# Altium PCB PCB_monitoring_MOTHB.PcbDoc (part 1 of 2)
Units mm, origin at the board's own origin, x right, y up, seen from the top; angles counter-clockwise.
Board outline 185 x 75 mm, 2 copper layers (Top Layer, Bottom Layer), stack 1.571 mm thick; 166 components, 133 nets, 595 pads, 43 vias.
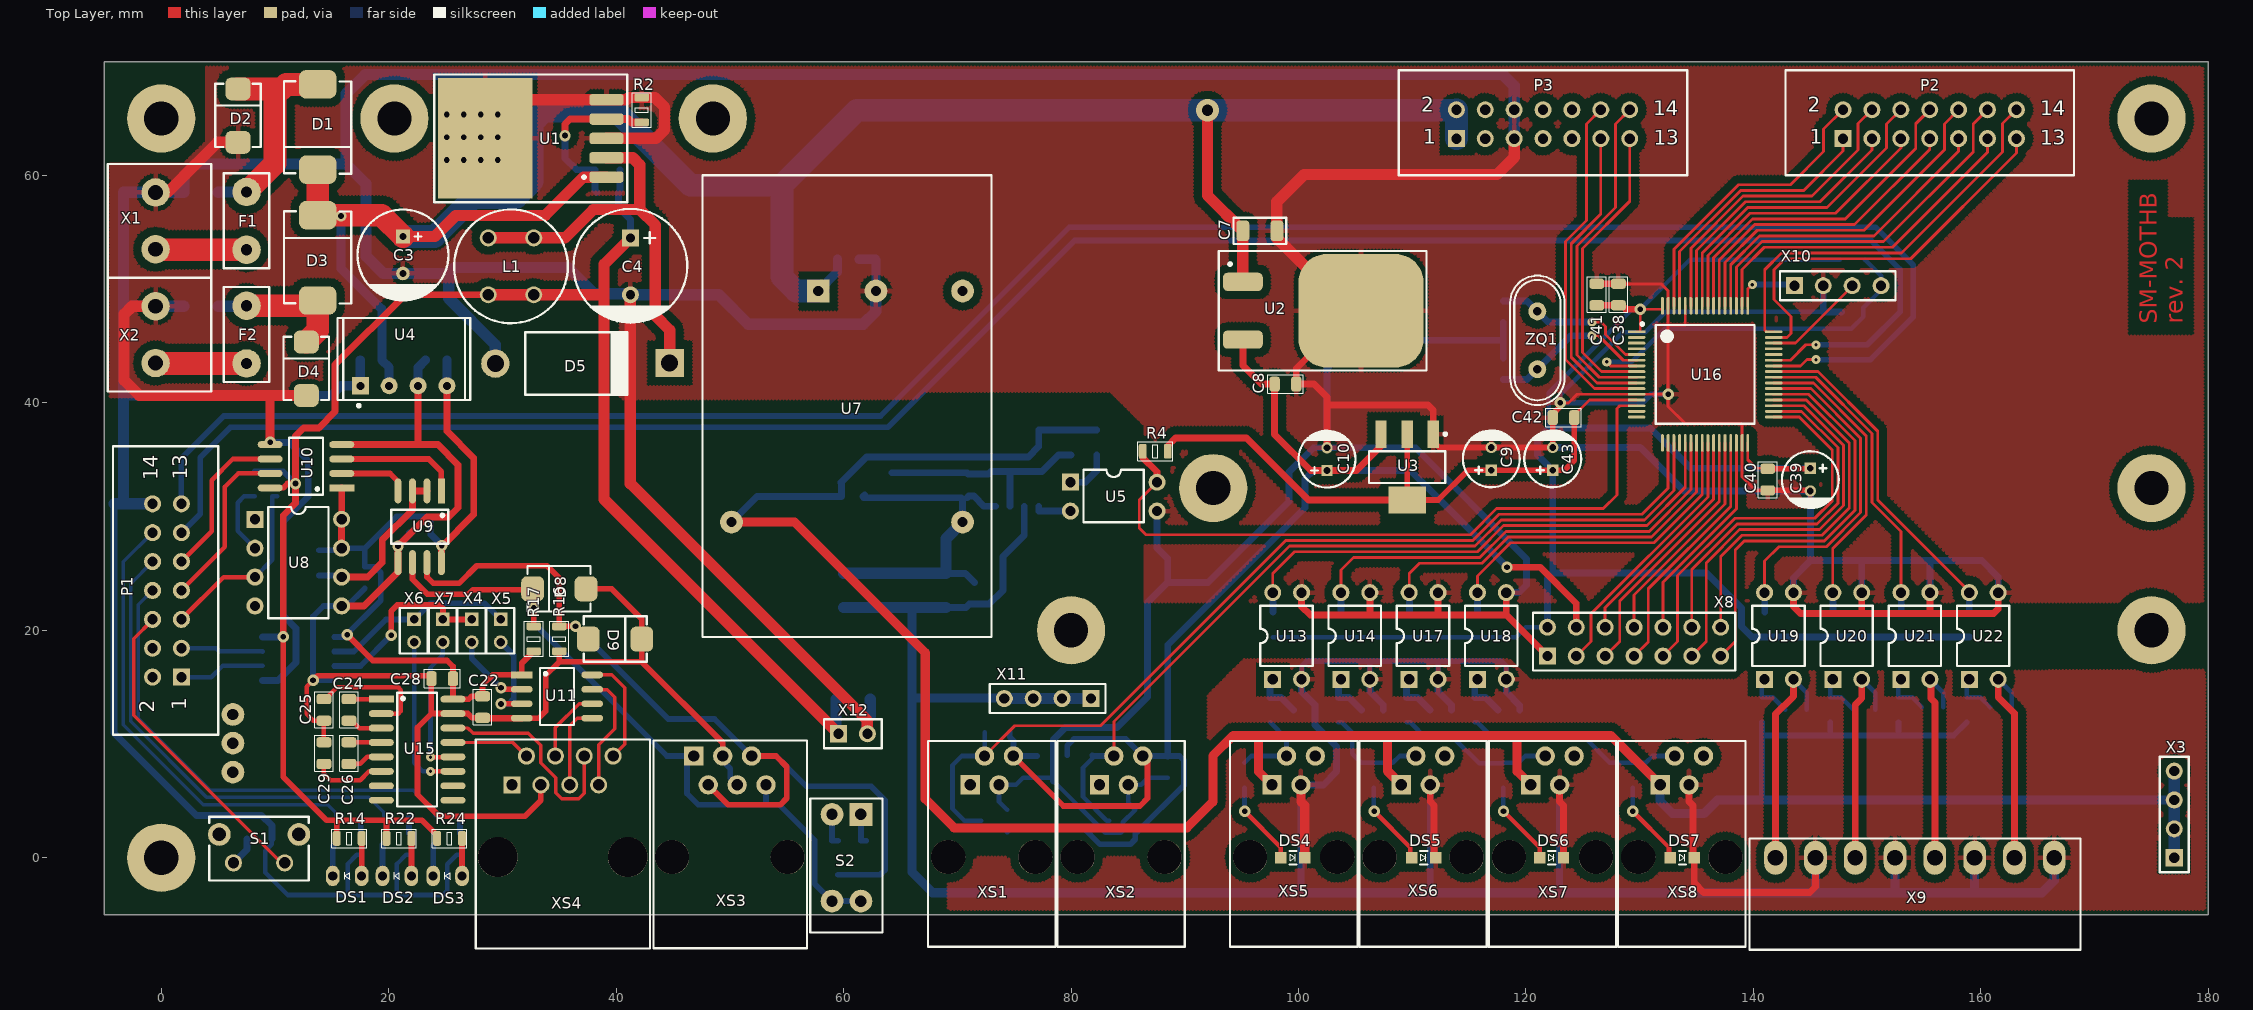
[diagram p0: Top Layer view]
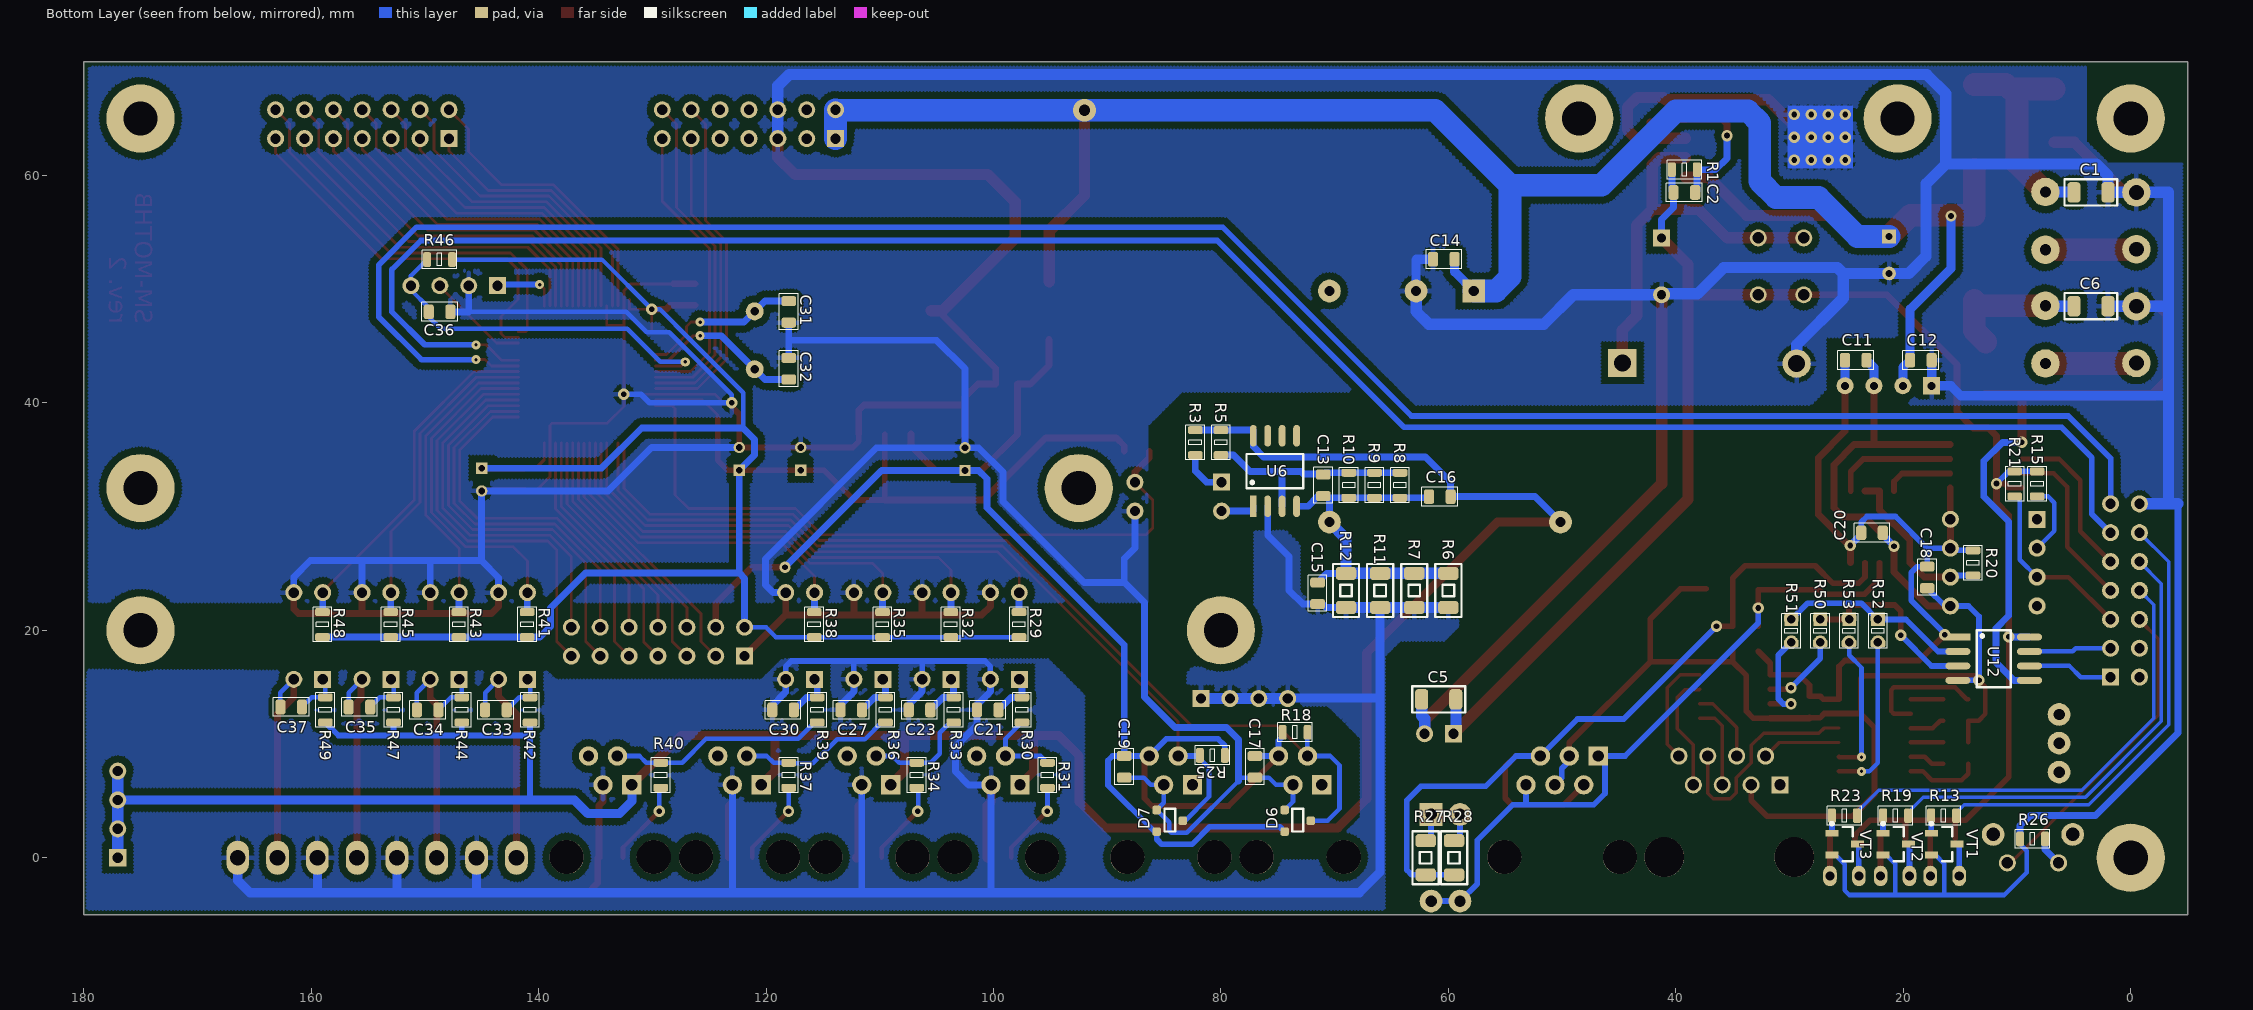
[diagram p1: Bottom Layer view, seen from below]

## Layer stack, top to bottom
Top Solder: solder mask 0.0102, Solder Resist, Dk 3.5
Top Layer: signal copper 0.0356
Dielectric 1: dielectric 1.5, FR-4, Dk 4.8
Bottom Layer: signal copper 0.0356
Bottom Solder: solder mask 0.0102, Solder Resist, Dk 3.5

## Board outline
-5,-5 180,-5 180,70 -5,70

## Design rules (kind name [scope] priority, off if disabled: settings)
Clearance Clearance_3 [InPolygon And InNetClass('GND')] p1: gap=0.4
Clearance Clearance_2 [InPolygon And OnLayer('Bottom Layer')] p2: gap=0.6
Clearance Clearance_1 [InPolygon And OnLayer('Top Layer')] p3: gap=0.7
Clearance [All] p4: gap=0.25
ComponentClearance [All] p1: gap=0 collisioncheckmode=3 verticalgap=0 showdistances=FALSE
Height [All] p1: minheight=0 maxheight=30 prefheight=12.7
HoleSize [All] p1: absolutevalues=TRUE maxlimit=5 minlimit=0.2 maxpercent=80.000 minpercent=20.000
HoleToHoleClearance [All] p1: gap=0.25 allowstackedmicrovias=TRUE
MinimumSolderMaskSliver [All] p1: minsoldermaskwidth=0
PlaneClearance [All] p1: clearance=0.5
PlaneConnect [All] p1: planeconnectstyle=Relief reliefexpansion=0.5 reliefentries=4 reliefconductorwidth=0.3 reliefairgap=0.25
PolygonConnect [All] p1: connectstyle=Relief reliefconductorwidth=0.4 reliefentries=4 polygonreliefangle="90 Angle" airgapwidth=0.4
RoutingCorners [All] p1: cornerstyle=45-Degree minsetback=2 maxsetback=2
RoutingVias [All] p1: holewidth=0.8 width=1.3 viastyle="Through Hole" minholewidth=0.3 minwidth=0.8 maxholewidth=5 maxwidth=7
SilkToBoardRegionClearance [All] p1 off:
SilkToSilkClearance [All] p1: silktosilkclearance=0
SilkToSolderMaskClearance [IsPad] p1: minsilkscreentomaskgap=0 clearancetoexposedcopper=TRUE
SolderMaskExpansion [All] p1: expansion=0.1
Width [All] p1: maxlimit=4 minlimit=0.25 preferedwidth=0.5 minimp=50.000000 maximp=50.000000 favimp=50.000000
19 further rules are at their usual default settings.

## Classes and differential pairs
component class Sheet_MCU_IO: C17 C18 C19 C20 C21 C22 C23 C24 C25 C26 C27 C28 C29 C30 C31 C32 C33 C34 C35 C36 C37 C38 C39 C40 C41 C42 C43 D6 D7 D8 D9 DS1 DS2 DS3 DS4 DS5 DS6 DS7 P1 P2 P3 R13 R14 R15 R16 R17 R18 R19 R20 R21 R22 R23 R24 R25 R26 R27 R28 R29 R30 R31 R32 R33 R34 R35 R36 R37 R38 R39 R40 R41 R42 R43 R44 R45 R46 R47 R48 R49 R50 R51 R52 R53 S1 S2 U8 U9 U10 U11 U12 U13 U14 U15 U16 U17 U18 U19 U20 U21 U22 VT1 VT2 VT3 X3 X4 X5 X6 X7 X8 X9 X10 X11 XS1 XS2 XS3 XS4 XS5 XS6 XS7 XS8 ZQ1
component class Sheet_Power: C1 C2 C3 C4 C5 C6 C7 C8 C9 C10 C11 C12 C13 C14 C15 C16 D1 D2 D3 D4 D5 F1 F2 L1 R1 R2 R3 R4 R5 R6 R7 R8 R9 R10 R11 R12 U1 U2 U3 U4 U5 U6 U7 X1 X2 X12

## Components (designator, comment, footprint, x,y, rotation, side; value= is the part's Value field where it differs from the comment)
C1 "Cap_Semi" C_1206 3.5,58.5 r0 bottom
C2 "Cap_Semi" C_0805 39.25,58.5 r180 bottom
C3 "Cap_Polar" 8x11 21.25,53 r270 top
C4 "Cap_Polar" 10x16 41.25,52 r270 top
C5 "Cap_Semi" C_1206 60.85,13.925 r180 bottom
C6 "Cap_Semi" C_1206 3.5,48.5 r0 bottom
C7 "Cap_Semi" C_1206 96.6,55.125 r180 top
C8 "Cap_Semi" C_0805 98.85,41.65 r180 top
C9 "Cap_Polar" 5x11 116.95,35.075 r90 top
C10 "Cap_Polar" 5x11 102.5,35.05 r90 top
C11 "Cap_Semi" C_0805 24.175,43.75 r180 bottom
C12 "Cap_Semi" C_0805 18.45,43.75 r180 bottom
C13 "Cap_Semi" C_0805 71,32.75 r90 bottom
C14 "Cap_Semi" C_0805 60.4,52.625 r180 bottom
C15 "Cap_Semi" C_0805 71.5,23.25 r270 bottom
C16 "Cap_Semi" C_0805 60.75,31.75 r180 bottom
C17 "Cap_Semi" C_0805 77,8 r270 bottom
C18 "Cap_Semi" C_0805 17.9,24.65 r270 bottom
C19 "Cap_Semi" C_0805 88.5,8 r270 bottom
C20 "Cap_Semi" C_0805 22.75,28.575 r0 bottom
C21 "Cap_Semi" C_0805 100.5,13 r0 bottom
C22 "Cap_Semi" C_0805 28.25,13.25 r90 top
C23 "Cap_Semi" C_0805 106.5,13 r0 bottom
C24 "Cap_Semi" C_0805 16.5,13 r270 top
C25 "Cap_Semi" C_0805 14.3,13 r90 top
C26 "Cap_Semi" C_0805 16.5,9.2 r270 top
C27 "Cap_Semi" C_0805 112.5,13 r0 bottom
C28 "Cap_Semi" C_0805 24.7,15.75 r0 top
C29 "Cap_Semi" C_0805 14.3,9.2 r270 top
C30 "Cap_Semi" C_0805 118.5,13 r0 bottom
C31 "Cap_Semi" C_0805 118,48 r90 bottom
C32 "Cap_Semi" C_0805 118,43 r270 bottom
C33 "Cap_Semi" C_0805 143.75,13 r0 bottom
C34 "Cap_Semi" C_0805 149.75,13 r0 bottom
C35 "Cap_Semi" C_0805 155.75,13.25 r0 bottom
C36 "Cap_Semi" C_0805 148.7,48 r180 bottom
C37 "Cap_Semi" C_0805 161.75,13.25 r0 bottom
C38 "Cap_Semi" C_0805 128.125,49.525 r90 top
C39 "Cap_Polar" 5x11 145,33.25 r270 top
C40 "Cap_Semi" C_0805 141.25,33.25 r270 top
C41 "Cap_Semi" C_0805 126.225,49.525 r90 top
C42 "Cap_Semi" C_0805 123.3,38.7 r180 top
C43 "Cap_Polar" 5x11 122.35,35.075 r90 top
D1 "VS-30BQ040" SMC 13.75,64.25 r90 top
D2 "SMBJ13A" SMB 6.75,65.25 r270 top
D3 "VS-30BQ040" SMC 13.75,52.75 r270 top
D4 "SMBJ13A" SMB 12.75,43 r270 top
D5 "1N5822" DO-201 37,43.5 r0 top
D6 "BAT54S" SOT-23_d 73.25,3.25 r180 bottom
D7 "BAT54S" SOT-23_d 84.5,3.25 r180 bottom
D8 "SMBJ12CA" SMB 35,23.65 r0 top
D9 "SMBJ12CA" SMB 39.9,19.225 r180 top
DS1 "LED_RED" LED_RED 16.35,-1.6 r270 top locked
DS2 "LED_YELLOW" LED_YELLOW 20.725,-1.6 r270 top locked
DS3 "LED_GREEN" LED_GREEN 25.175,-1.6 r270 top locked
DS4 "Green" LED_SMD_0805 99.5,0 r90 top
DS5 "Green" LED_SMD_0805 111,0 r90 top
DS6 "Green" LED_SMD_0805 122.25,0 r90 top
DS7 "Green" LED_SMD_0805 133.75,0 r90 top
F1 "RFTQ-2A" "Fuse RFTQ" 7.5,56 r270 top
F2 "RFTQ-2A" "Fuse RFTQ" 7.5,46 r270 top
L1 "RCH110NP-470K" RCH-110 30.75,52 r180 top
P1 "BH-14" BH-14 0.5,23.5 r90 top locked
P2 "BH-14" BH-14 155.5,64.5 r0 top locked
P3 "BH-14" BH-14 121.5,64.5 r0 top locked
R1 "Resistor" R_0805 39.25,60.5 r0 bottom
R2 "Resistor" R_0805 42.25,65.75 r270 top
R3 "Resistor" R_0805 82.25,36.5 r270 bottom
R4 "Resistor" R_0805 87.4,35.75 r0 top
R5 "Resistor" R_0805 80,36.5 r90 bottom
R6 "Resistor" R_1206 60,23.5 r270 bottom
R7 "Resistor" R_1206 63,23.5 r270 bottom
R8 "Resistor" R_0805 64.25,32.75 r90 bottom
R9 "Resistor" R_0805 66.5,32.75 r90 bottom
R10 "Resistor" R_0805 68.75,32.75 r90 bottom
R11 "Resistor" R_1206 66,23.5 r270 bottom
R12 "Resistor" R_1206 69,23.5 r270 bottom
R13 "Resistor" R_0805 16.45,3.7 r180 bottom
R14 "Resistor" R_0805 16.525,1.7 r0 top
R15 "Resistor" R_0805 8.225,32.875 r90 bottom
R16 "Resistor" R_0805 35,19.25 r270 top
R17 "Resistor" R_0805 32.75,19.25 r270 top
R18 "Resistor" R_0805 73.475,11.025 r0 bottom
R19 "Resistor" R_0805 20.675,3.7 r180 bottom
R20 "Resistor" R_0805 13.875,25.925 r90 bottom
R21 "Resistor" R_0805 10.2,32.875 r90 bottom
R22 "Resistor" R_0805 20.9,1.7 r0 top
R23 "Resistor" R_0805 25.175,3.7 r180 bottom
R24 "Resistor" R_0805 25.35,1.7 r0 top
R25 "Resistor" R_0805 80.75,9 r180 bottom
R26 "Resistor" R_0805 8.625,1.65 r0 bottom
R27 "Resistor" R_1206 62,0 r90 bottom
R28 "Resistor" R_1206 59.5,0 r90 bottom
R29 "Resistor" R_0805 97.75,20.5 r90 bottom
R30 "Resistor" R_0805 97.5,13 r270 bottom
R31 "Resistor" R_0805 95.25,7.25 r90 bottom
R32 "Resistor" R_0805 103.75,20.5 r90 bottom
R33 "Resistor" R_0805 103.5,13 r270 bottom
R34 "Resistor" R_0805 106.75,7.25 r90 bottom
R35 "Resistor" R_0805 109.75,20.5 r90 bottom
R36 "Resistor" R_0805 109.5,13 r270 bottom
R37 "Resistor" R_0805 118,7.25 r90 bottom
R38 "Resistor" R_0805 115.75,20.5 r90 bottom
R39 "Resistor" R_0805 115.5,13 r270 bottom
R40 "Resistor" R_0805 129.25,7.25 r90 bottom
R41 "Resistor" R_0805 141,20.5 r90 bottom
R42 "Resistor" R_0805 140.75,13 r270 bottom
R43 "Resistor" R_0805 147,20.5 r90 bottom
R44 "Resistor" R_0805 146.75,13 r270 bottom
R45 "Resistor" R_0805 153,20.5 r90 bottom
R46 "Resistor" R_0805 148.7,52.6 r0 bottom
R47 "Resistor" R_0805 152.75,13 r270 bottom
R48 "Resistor" R_0805 159,20.5 r90 bottom
R49 "Resistor" R_0805 158.75,13 r270 bottom
R50 "Resistor" R_0805 27.308,19.95 r90 bottom
R51 "Resistor" R_0805 29.85,19.95 r90 bottom
R52 "Resistor" R_0805 22.225,19.95 r90 bottom
R53 "Resistor" R_0805 24.767,19.95 r90 bottom
S1 "Swtich" Swich_TACTA-68N-F_ 8.6,0.8 r0 top locked
S2 "SW DIP-2" Swich_DIP2 60.25,0 r270 top locked
U1 "LM2596SX-ADJ" D2PAK_5p 33.75,63.25 r90 top locked
U2 "L7805ABD2T" D2PAK_3p 100.3,48.1 r270 top
U3 "LD1117AS33TR" SOT-223_N 109.55,34.35 r270 top
U4 "B1205S-1W" SIP4 16,40.25 r0 top
U5 "PC817C" DIP-4 83.75,31.75 r270 top
U6 "LM393DR2G" SO-8_L 75.25,34 r90 bottom
U7 "NSD05-12S12" NSD05 60.3,39.675 r270 top
U8 "6N137" DIP-8 12.05,25.95 r270 top
U9 "ST485BDR" SO-8_N 22.725,29.1 r270 top
U10 "ADuM1201" SO-8_N 12.725,34.425 r180 top
U11 "SN75179B" SO-8_L 34.8,14.175 r0 top
U12 "ADuM1201" SO-8_N 12.05,17.5 r180 bottom
U13 "PC817C" DIP-4 99,19.5 r0 top
U14 "PC817C" DIP-4 105,19.5 r0 top
U15 "MAX3232" SO-16_N 22.5,9.5 r0 top
U16 "STM32F030R8T6" LQFP64_L 135.75,42.5 r0 top
U17 "PC817C" DIP-4 111,19.5 r0 top
U18 "PC817C" DIP-4 117,19.5 r0 top
U19 "PC817C" DIP-4 142.25,19.5 r0 top
U20 "PC817C" DIP-4 148.25,19.5 r0 top
U21 "PC817C" DIP-4 154.25,19.5 r0 top
U22 "PC817C" DIP-4 160.25,19.5 r0 top
VT1 "BC817" SOT-23_N 16.4,1.2 r180 bottom
VT2 "BC817" SOT-23_N 20.65,1.2 r180 bottom
VT3 "BC817" SOT-23_N 25.15,1.2 r180 bottom
X1 "DG300-5.0-02P" "5MM 2" -0.5,56 r270 top
X2 "DG300-5.0-02P" "5MM 2" -0.5,46 r270 top
X3 "ZL2029" PLS-4-3D 177,0 r90 top locked
X4 "JMP" PLS-2-2 27.305,20.955 r180 top
X5 "JMP" PLS-2-2 29.845,20.955 r180 top
X6 "JMP" PLS-2-2 22.225,20.955 r180 top
X7 "JMP" PLS-2-2 24.765,20.955 r180 top
X8 "PLS2-14" PLS2-14 129.5,19 r0 top locked
X9 "15EDGRC-3.5-08P" MC_3.5_8 154.2,0 r0 top locked
X10 "PLS-4" PLS-4-3D 143.6,50.3 r0 top
X11 "PLS-4" PLS-4-3D 81.75,14 r180 top
X12 "PLS-2" PLS-2-3D 59.55,10.9 r0 top locked
XS1 "RJ-11" "RJ-11 - TJ4-4P4C" 73.025,4.5 r180 top locked
XS2 "RJ-11" "RJ-11 - TJ4-4P4C" 84.4,4.5 r180 top locked
XS3 "RJ-12" "RJ-12 - TJ4-6P6C" 50,4.5 r180 top locked
XS4 "RJ-45_Simple" "RJ-45 - TJ4-8P8C" 35.3,4.5 r180 top
XS5 "RJ-11" "RJ-11 - TJ4-4P4C" 99.575,4.5 r180 top locked
XS6 "RJ-11" "RJ-11 - TJ4-4P4C" 110.95,4.5 r180 top locked
XS7 "RJ-11" "RJ-11 - TJ4-4P4C" 122.325,4.5 r180 top locked
XS8 "RJ-11" "RJ-11 - TJ4-4P4C" 133.7,4.5 r180 top locked
ZQ1 "8MHz" HC49S_3D 121,45.5 r90 top

## Footprints (in the part's own frame and the unit in brackets; to place one, negate y for a bottom-side part, rotate by r counter-clockwise, add the part's x,y. Pads: shape width x height; smd on the part's side, far side on the other; paste and mask are expansions set on the pad)
"5MM 2" [mm]
  round 2.5 hole 1.3: 1(-2.5,0) 2(2.5,0)
  silkscreen extent -5,-4.2 5,4.9, body extent -5,-4 5,5, height 12.6
5x11 [mm] "Electrolytic Capacitors Pin"
  rect 1x1 hole 0.6: 1(-1,0)
  round 1 hole 0.6: 2(1,0)
  silkscreen extent -2.5,-2.5 2.5,2.5, body extent -2.53,-2.53 2.53,2.53, height 7.53
8x11 [mm] "Electrolytic Capacitors Pin"
  rect 1.2x1.2 hole 0.6: 1(-1.625,0)
  round 1.2 hole 0.6: 2(1.625,0)
  silkscreen extent -4,-4 4,4, body extent -4.03,-4 4.03,4.05, height 12.03
10x16 [mm] "Electrolytic Capacitors Pin"
  rect 1.5x1.5 hole 0.8: 1(-2.5,0)
  round 1.5 hole 0.8: 2(2.5,0)
  silkscreen extent -5.05,-5 4.95,5, body extent -5.05,-5 4.95,5, height 12
BH-14 [mm] "Connector IDC"
  rect 1.5x1.5 hole 0.9: 1(-7.62,-1.27)
  round 1.5 hole 0.9: 2(-7.62,1.27) 3(-5.08,-1.27) 4(-5.08,1.27) 5(-2.54,-1.27) 6(-2.54,1.27) 7(0,-1.27) 8(0,1.27) 9(2.54,-1.27) 10(2.54,1.27) 11(5.08,-1.27) 12(5.08,1.27) 13(7.62,-1.27) 14(7.62,1.27)
  silkscreen extent -12.68,-4.5 12.68,4.75, body extent -12.69,-4.4 12.69,4.7, height 9.3
C_0805 [mm] "Ceramic Capacitors SMD"
  rrect50% 0.9x1.3 smd: 1(-0.95,0) 2(0.95,0)
  silkscreen extent -1.58,-0.82 1.58,0.82, body extent -1,-0.62 1,0.63, height 0.78
C_1206 [mm] "Ceramic Capacitors SMD"
  rrect50% 1.15x1.8 smd: 1(-1.5,0) 2(1.5,0)
  silkscreen extent -2.32,-1.15 2.33,1.15, body extent -1.6,-0.8 1.6,0.8, height 1
D2PAK_3p [mm] "D2-PAK; 5 Leads; Body 14.7 (inc. leads) x 10.2 mm (LxW max)"
  rrect50% 1.6x3.5 smd: 1(-2.54,-5.194) 2(2.54,-5.194)
  rrect50% 10x11 smd: 3(0,5.194)
  silkscreen extent -5.25,-7.32 5.25,10.94, body extent -5.08,-5.83 5.08,9.43, height 4.88
D2PAK_5p [mm] "D2-PAK; 5 Leads; Body 14.7 (inc. leads) x 10.2 mm (LxW max)"
  rrect50% 1x3 smd: 1(-3.4,-5.4) 2(-1.7,-5.4) 3(0,-5.4) 4(1.7,-5.4) 5(3.4,-5.4)
  rect 10.6x8.3 smd: 6(0,5.275)
  silkscreen extent -5.63,-7.22 5.63,9.75, body extent -5,-6.59 5,9.08, height 4.78
DIP-4 [mm]
  rect 1.5x1.5 hole 0.9: 1(-1.27,-3.81)
  round 1.5 hole 0.9: 2(1.27,-3.81) 3(1.27,3.81) 4(-1.27,3.81)
  silkscreen extent -2.36,-2.65 2.25,2.65, body extent -2.82,-4.03 2.73,3.98, height 4.31
DIP-8 [mm] "8-Pin Plastic Dual In-Line Package (PDIP)"
  rect 1.5x1.5 hole 0.9: 1(-3.81,-3.81)
  round 1.5 hole 0.9: 2(-1.27,-3.81) 3(1.27,-3.81) 4(3.81,-3.81) 5(3.81,3.81) 6(1.27,3.81) 7(-1.27,3.81) 8(-3.81,3.81)
  silkscreen extent -4.9,-2.65 4.9,2.65, body extent -4.96,-3.91 4.95,3.91, height 4.57
DO-201 [mm]
  round 2.5 hole 1.5: 1(-7.62,-0.05)
  rect 2.5x2.5 hole 1.5: 2(7.7,0)
  silkscreen extent -5,-2.8 4,2.7, body extent -8.28,-2.85 8.28,2.75, height 7.6
"Fuse RFTQ" [mm]
  round 2.5 hole 1: 1(-2.54,0) 2(2.54,0)
  silkscreen extent -4.18,-2 4.18,2, body extent -4.18,-2 4.18,2, height 7.7
HC49S_3D [mil]
  round 62 hole 30: 1(-100,0) 2(100,0)
  silkscreen extent -224,-94 224,94, body extent -223,-92 223,92, height 142
LED_GREEN [mm]
  oval 1.8x1.2 hole 0.8: 1(0,1.27) 2(0,-1.27)
  silkscreen extent -0.33,-0.23 0.3,0.22, body extent -1.99,-1.99 1.5,1.99, height 6.38
LED_RED [mm]
  oval 1.8x1.2 hole 0.8: 1(0,1.27) 2(0,-1.27)
  silkscreen extent -0.33,-0.23 0.3,0.22, body extent -1.99,-1.99 1.5,1.99, height 5.88
LED_SMD_0805 [mm]
  rect 1x1 smd: 1(0,1.05) 2(0,-1.05)
  silkscreen extent -0.6,-0.33 0.6,0.3, body extent -0.46,-1.03 0.45,1.03, height 0.85
LED_YELLOW [mm]
  oval 1.8x1.2 hole 0.8: 1(0,1.27) 2(0,-1.27)
  silkscreen extent -0.33,-0.23 0.3,0.22, body extent -1.64,-1.66 1.65,1.64, height 5.51
LQFP64_L [mm] "Thin QFP, 64-Leads, Body 10x10mm, Pitch 0.5mm, IPC High Density"
  rect 1.55x0.25 smd: 1(-6.025,3.75)
  oval 1.55x0.25 smd: 2(-6.025,3.25) 3(-6.025,2.75) 4(-6.025,2.25) 5(-6.025,1.75) 6(-6.025,1.25) 7(-6.025,0.75) 8(-6.025,0.25) 9(-6.025,-0.25) 10(-6.025,-0.75) 11(-6.025,-1.25) 12(-6.025,-1.75) 13(-6.025,-2.25) 14(-6.025,-2.75) 15(-6.025,-3.25) 16(-6.025,-3.75) 33(6.025,-3.75) 34(6.025,-3.25) 35(6.025,-2.75) 36(6.025,-2.25) 37(6.025,-1.75) 38(6.025,-1.25) 39(6.025,-0.75) 40(6.025,-0.25) 41(6.025,0.25) 42(6.025,0.75) 43(6.025,1.25) 44(6.025,1.75) 45(6.025,2.25) 46(6.025,2.75) 47(6.025,3.25) 48(6.025,3.75)
  oval 0.25x1.55 smd: 17(-3.75,-6.025) 18(-3.25,-6.025) 19(-2.75,-6.025) 20(-2.25,-6.025) 21(-1.75,-6.025) 22(-1.25,-6.025) 23(-0.75,-6.025) 24(-0.25,-6.025) 25(0.25,-6.025) 26(0.75,-6.025) 27(1.25,-6.025) 28(1.75,-6.025) 29(2.25,-6.025) 30(2.75,-6.025) 31(3.25,-6.025) 32(3.75,-6.025) 49(3.75,6.025) 50(3.25,6.025) 51(2.75,6.025) 52(2.25,6.025) 53(1.75,6.025) 54(1.25,6.025) 55(0.75,6.025) 56(0.25,6.025) 57(-0.25,6.025) 58(-0.75,6.025) 59(-1.25,6.025) 60(-1.75,6.025) 61(-2.25,6.025) 62(-2.75,6.025) 63(-3.25,6.025) 64(-3.75,6.025)
  silkscreen extent -5.65,-4.35 4.35,4.55, body extent -6,-6 6,6, height 1.7
MC_3.5_8 [mm]
  oval 2x3 hole 1.4: 1(-12.25,0) 2(-8.75,0) 3(-5.25,0) 4(-1.75,0) 5(1.75,0) 6(5.25,0) 7(8.75,0) 8(12.25,0)
  silkscreen extent -14.55,-8.1 14.55,1.7, body extent -14.4,-7.95 14.4,1.25, height 7.2
NSD05 [mm] "5W DC-DC Regulated Single Output"
  rect 2x2 hole 0.9: 1(-10.16,-2.54)
  round 2 hole 0.9: 2(-10.16,2.54) 3(10.16,-10.16) 4(10.16,10.16) 5(-10.16,10.16)
  silkscreen extent -20.33,-12.7 20.27,12.7, body extent -20.33,-12.7 20.27,12.67, height 8.3
PLS2-14 [mm] "Connector; Header; 14 Position"
  rect 1.5x1.5 hole 0.9: 1(-7.62,-1.27)
  round 1.5 hole 0.9: 2(-5.08,-1.27) 3(-2.54,-1.27) 4(0,-1.27) 5(2.54,-1.27) 6(5.08,-1.27) 7(7.62,-1.27) 8(7.62,1.27) 9(5.08,1.27) 10(2.54,1.27) 11(0,1.27) 12(-2.54,1.27) 13(-5.08,1.27) 14(-7.62,1.27)
  silkscreen extent -8.89,-2.54 8.89,2.54, body extent -8.89,-2.54 8.89,2.54, height 8.44
PLS-2-2 [mm] "Connector; Header; 1x2 Position"
  rect 1.2x1.2 hole 0.75: 1(0,0)
  round 1.2 hole 0.75: 2(0,2)
  silkscreen extent -1.2,-1 1.25,3
PLS-2-3D [mm] "Connector; Header; 2 Position"
  rect 1.5x1.5 hole 0.9: 1(0,0)
  round 1.5 hole 0.9: 2(2.54,0)
  silkscreen extent -1.27,-1.27 3.81,1.27, body extent -1.27,-1.27 3.81,1.27, height 8.44
PLS-4-3D [mm] "Connector; Header; 4 Position"
  rect 1.5x1.5 hole 0.9: 1(0,0)
  round 1.5 hole 0.9: 2(2.54,0) 3(5.08,0) 4(7.62,0)
  silkscreen extent -1.27,-1.27 8.89,1.27, body extent -1.27,-1.27 8.89,1.27, height 8.44
R_0805 [mm] "Resistor Pattern"
  rrect50% 0.7x1.3 smd: 1(-1.1,0) 2(1.1,0)
  silkscreen extent -1.53,-0.82 1.53,0.82, body extent -1.15,-0.67 1.15,0.68, height 0.76
R_1206 [mm]
  rrect50% 1.15x1.8 smd: 1(-1.5,0) 2(1.5,0)
  silkscreen extent -2.32,-1.15 2.33,1.15, body extent -1.67,-0.86 1.68,0.87, height 0.85
RCH-110 [mm]
  round 1.5 hole 1: 1(-2,2.5) 1(2,2.5) 2(-2,-2.5) 2(2,-2.5)
  silkscreen extent -5,-5 5,5, body extent -4.97,-5 5.03,5, height 12.13
"RJ-11 - TJ4-4P4C" [mm] "Telephone connector"
  round 3 hole 3 unplated: 0(-3.83,4.445) 0(3.83,4.445)
  rect 1.7x1.7 hole 1: 1(1.905,-1.905)
  round 1.7 hole 1: 2(0.635,-4.445) 3(-0.635,-1.905) 4(-1.905,-4.445)
  silkscreen extent -5.6,-5.75 5.6,12.32, body extent -5.6,-5.75 5.6,12.32, height 11.5
"RJ-12 - TJ4-6P6C" [mm] "Telephone connector"
  round 3 hole 3 unplated: 0(-5.08,4.445) 0(5.08,4.445)
  rect 1.7x1.7 hole 1: 1(3.175,-4.445)
  round 1.7 hole 1: 2(1.905,-1.905) 3(0.635,-4.445) 4(-0.635,-1.905) 5(-1.905,-4.445) 6(-3.175,-1.905)
  silkscreen extent -6.78,-5.8 6.73,12.45, body extent -6.64,-5.68 6.56,12.32, height 11.55
"RJ-45 - TJ4-8P8C" [mm]
  round 3.5 hole 3.5 unplated: 0(-5.715,4.445) 0(5.715,4.445)
  rect 1.5x1.5 hole 1: 1(4.46,-1.905)
  round 1.5 hole 1: 2(3.19,-4.445) 3(1.92,-1.905) 4(0.65,-4.445) 5(-0.62,-1.905) 6(-1.89,-4.445) 7(-3.16,-1.905) 8(-4.43,-4.445)
  silkscreen extent -7.68,-5.9 7.65,12.47, body extent -7.48,-5.75 7.48,12.32, height 11.5
SIP4 [mm]
  rect 1.5x1.5 hole 0.7: 1(1.5,1.25)
  round 1.5 hole 0.7: 2(4.04,1.25) 3(6.58,1.25) 4(9.12,1.25)
  silkscreen extent -0.5,-0.63 11.18,7.2, body extent -0.53,0 11.15,6, height 10.25
SMB [mm]
  rrect50% 2x2.2 smd: 1(2.35,0) 2(-2.35,0)
  silkscreen extent -2.8,-2 2.75,2, body extent -2.79,-1.97 2.79,1.98, height 2.65
SMC [mm]
  rrect50% 2.5x3.3 smd: 1(3.75,0) 2(-3.75,0)
  silkscreen extent -4.1,-2.95 4.03,2.95, body extent -4.07,-3.05 4.06,3.05, height 2.4
SO-8_L [mm] "SOIC, 8-Leads, Body 4.9x3.9mm, Pitch 1.27mm, IPC High Density"
  rect 1.9x0.6 smd: 1(-3.1,1.905)
  oval 1.9x0.6 smd: 2(-3.1,0.635) 3(-3.1,-0.635) 4(-3.1,-1.905) 5(3.1,-1.905) 6(3.1,-0.635) 7(3.1,0.635) 8(3.1,1.905)
  silkscreen extent -1.5,-2.5 1.5,2.5, body extent -3.17,-2.5 3.17,2.5, height 1.88
SO-8_N [mm] "SOIC, 8-Leads, Body 4.9x3.9mm, Pitch 1.27mm, IPC Medium Density"
  rect 2.2x0.6 smd: 1(-3.15,1.905)
  oval 2.2x0.6 smd: 2(-3.15,0.635) 3(-3.15,-0.635) 4(-3.15,-1.905) 5(3.15,-1.905) 6(3.15,-0.635) 7(3.15,0.635) 8(3.15,1.905)
  silkscreen extent -1.5,-2.5 1.5,2.5, body extent -3.17,-2.5 3.17,2.5, height 1.88
SO-16_N [mm] "16-Pin Small Outline Integrated Circuit 1.27 mm Pitch, IPC Medium Density"
  rect 2.2x0.6 smd: 1(-3.15,4.445)
  oval 2.2x0.6 smd: 2(-3.15,3.175) 3(-3.15,1.905) 4(-3.15,0.635) 5(-3.15,-0.635) 6(-3.15,-1.905) 7(-3.15,-3.175) 8(-3.15,-4.445) 9(3.15,-4.445) 10(3.15,-3.175) 11(3.15,-1.905) 12(3.15,-0.635) 13(3.15,0.635) 14(3.15,1.905) 15(3.15,3.175) 16(3.15,4.445)
  silkscreen extent -1.75,-5 1.75,5, body extent -3,-5.1 3,5.1, height 1.7
SOT-23_d [mm]
  rrect50% 0.76x0.76 smd: 1(-1.145,0.95) 2(-1.145,-0.95) 3(1.145,0)
  silkscreen extent -0.47,-0.95 0.48,1.05, body extent -1.37,-1.53 1.27,1.47, height 1.08
SOT-23_N [mm] "SOT23, 3-Leads, Body 2.9x1.3mm, Pitch 0.95mm, Lead Span 2.3mm, IPC Medium Density"
  rect 1.15x0.6 smd: 1(-1.125,0.95) 2(-1.125,-0.95) 3(1.125,0)
  silkscreen extent -1.25,-1.5 0.7,1.92, body extent -1.32,-1.5 1.32,1.5, height 1.08
SOT-223_N [mm] "SOT223, 4-Leads, Body 6.5x3.5mm, Pitch 2.3mm, Lead Span 7mm, IPC Medium Density"
  rect 2.4x1 smd: 1(-2.9,2.3) 2(-2.9,0) 3(-2.9,-2.3)
  rect 2.4x3.3 smd: 4(2.9,0)
  silkscreen extent -3.02,-3.35 1.4,3.48, body extent -3.5,-3.25 3.5,3.25, height 1.7
Swich_DIP2 [mm]
  rect 2x2 hole 1: 1(-3.81,1.27)
  round 2 hole 1: 2(-3.81,-1.27) 3(3.81,-1.27) 4(3.81,1.27)
  silkscreen extent -5.21,-3.18 6.57,3.17, body extent -4.93,-3 6.43,3, height 9
Swich_TACTA-68N-F_ [mm]
  round 2 hole 1.2: 0(-3.5,1.25) 0(3.5,1.25)
  round 1.5 hole 1: 1(-2.25,-1.25) 2(2.25,-1.25)
  silkscreen extent -4.38,-2.8 4.38,2.8, body extent -4.25,-9.53 4.25,2.87, height 7.4

## Part data
C1 C2 C5 C6 C7 C8 C11 C12 C13 C14 C15 C16 C17 C18 C19 C20 C21 C22 C23 C24 C25 C26 C27 C28 C29 C30 C31 C32 C33 C34 C35 C36 C37 C38 C40 C41 C42: "Capacitor semi"
C3 C4: "Capacitor Polar"
C9 C10 C39 C43: library part "Capacitor Polar", "Capacitor polar"
D1 D3 D5 D6 D7: "Diode Schottky"
D2 D4 D8 D9: "Supressor"
DS1 DS2 DS3: "LED"
DS4 DS5 DS6 DS7: library part LED, "LED_SMD"
F1 F2: library part Fuse, "Fuse"
L1: library part Inductor, "Inductor"
P1 P2 P3: "IDC/BH"
S2: "DIP Switch_2"
U1: "Easy Switcher 3.0A Step-Down Voltage Regulator"
U2: "Voltage Regulators"
U3: "Voltage Regulators 800mA"
U4: library part B0505S-1W, "DC/DC converter"
U5 U13 U14 U17 U18 U19 U20 U21 U22: library part PC817, "Optocoupler"
U6: "Dual Comparators"
U7: "DC/DC Regulated Single Output"
U8: "Optocoupler"
U9: "RS-485/RS-422 Transceiver"
U10 U12: "Dual-Channel Digital Isolators"
U11: "RS485/RS422 Differential driver and receiver pair"
U15: "RS-232 Transceiver"
U16: "ARM Cortex-M0 32-bit MCU, 64 KB Flash, 8 KB Internal RAM, 55 I/Os, 64-pin LQFP, -40 to 85 degC, Tray"
VT1 VT2 VT3: "NPN"
X1 X2: library part DG300_2pin, "Connector 5mm"
X3: library part PLS-4, "Header, 4-Pin"
X4 X5 X6 X7: "Jumper"
X8: "Header, 14-Pin"
X9: library part MC_3.5_8, "Connector 3.5mm"
X10: "ZL201-04G"
X11: "ZL2029"
X12: "Header, 2-Pin"
XS1 XS2 XS5 XS6 XS7 XS8: "TJ4-4P4C"
XS3: "TJ4-6P6C"
XS4: "Connector RJ-45 Simple"
ZQ1: library part XTAL, "Crystal Oscillator"

## Free pads (board coordinates)
  round 6 hole 3: 0(0,0) 0(0,65) 0(20.5,65) 0(48.5,65) 0(80,20) 0(92.5,32.5) 0(175,20) 0(175,32.5) 0(175,65)
  round 2 hole 1: 2(6.3,7.525) 2(6.3,10.075) 2(6.3,12.6)

## Via types
v1: diameter 1, hole 0.5, Top Layer to Bottom Layer, 34 vias
v2: diameter 0.8, hole 0.3, Top Layer to Bottom Layer, 8 vias
v3: diameter 2, hole 1, Top Layer to Bottom Layer, 1 vias

## Nets (pads, with @x,y where several pads share a name; then routed paths per layer and width w, separated by ;. In a path a pad name is that pad's centre, name@x,y a point inside that pad or via, vN(x,y) a via of type N, cw(c..) or ccw(c..) an arc to the next point about the centre after c; other vN are vias at no path point)
1-WIRE1: D6.3 R18.1 U16.18 XS1.2 | length 85.9
  Top Layer w0.25: XS1.2@72.39,8.945 75.045,11.6 82.575,11.6 98.875,27.9 115.314,27.9 117.614,30.2 130.214,30.2 132.5,32.486 U16.18@132.5,36.475
  Bottom Layer w0.4: D6.3@72.105,3.25 70.625,3.25 69.575,4.3 69.575,8.125 70.395,8.945 XS1.2@72.39,8.945 R18.1@72.39,11.025
1-WIRE2: D7.3 R25.1 U16.19 XS2.2 | length 74
  Top Layer w0.25: XS2.2@83.765,8.945 83.765,11.965 99.2,27.4 115.522,27.4 117.822,29.7 130.422,29.7 133,32.278 U16.19@133,36.475
  Bottom Layer w0.4: R25.1@81.85,9 81.85,8.725 81.05,7.925 81.05,5.35 83.15,3.25 D7.3@83.355,3.25
  Bottom Layer w0.5: R25.1@81.85,9 81.905,8.945 XS2.2@83.765,8.945
1-WIRE3: U16.29 X8.4 | length 22.3
  Top Layer w0.25: X8.4@129.5,17.73 130.75,18.98 130.75,23.647 138,30.897 U16.29@138,36.475
1-WIRE4: U16.30 X8.10 | length 18.9
  Top Layer w0.25: X8.10@132.04,20.27 132.04,24.229 138.5,30.689 U16.30@138.5,36.475
1-WIRE5: U16.33 X8.5 | length 34.8
  Top Layer w0.25: X8.5@132.04,17.73 133.325,19.015 133.325,24.807 138.368,29.85 145.393,29.85 146.925,31.382 146.925,35.85 144.025,38.75 U16.33@141.775,38.75
3.3V: C9.1 C38.1 C39.1 C40.1 C41.1 C42.1 C43.1 R4.2 R29.1 R32.1 R35.1 R38.1 R41.1 R43.1 R45.1 R46.1 R48.1 U3.2 U3.4 U16.1 U16.13 U16.32 U16.64 X8.14 | length 213.5
  Top Layer w0.25: C42.1@124.25,38.7 124.25,38.925 125.575,40.25 U16.13@129.725,40.25 ; U16.1@129.725,46.25 130.05,46.25 v1(130.05,48.225) 132,48.225 U16.64@132,48.525 U16.64@132,49.075 ; U16.32@139.5,36.475 139.5,35 140.25,34.25 141.2,34.25 C40.1@141.25,34.2 ; C39.1@144.95,34.2 C39.1@145,34.25
  Top Layer w0.5: U3.2@109.55,37.25 U3.4@109.55,31.45 112.275,31.45 114.9,34.075 C9.1@116.95,34.075 C43.1@122.35,34.075 123.4,34.075 124.25,34.925 C42.1@124.25,38.7 ; C40.1@141.25,34.2 C39.1@144.95,34.2
  Top Layer w0.6: R4.2@88.5,35.75 88.5,36.225 89.175,36.9 95.425,36.9 100.875,31.45 U3.4@109.55,31.45 ; C41.1@126.225,48.575 C38.1@128.125,48.575 128.45,48.575 128.8,48.225 v1(130.05,48.225)
  Bottom Layer w0.4: R29.1@97.75,19.4 R38.1@115.75,19.4 119.125,19.4 119.995,20.27 X8.14@121.88,20.27 ; 122,37.775 122,40.898 126.65,45.548 126.65,45.55 129.325,48.225 v1(130.05,48.225) 134.425,52.6 R46.1@147.6,52.6
  Bottom Layer w0.6: X8.14@121.88,20.27 121.88,24.555 122.35,25.025 ; C39.1@145,34.25 134.45,34.25 130.925,37.775 122.025,37.775 121.025,36.775 121.025,35.4 C43.1@122.35,34.075 122.35,25.025 ; R48.1@159,19.4 R41.1@141,19.4 139.875,19.4 138.95,20.325 138.95,21.95 135.875,25.025 122.35,25.025
5V: C8.2 C10.1 C17.1 C19.1 D6.2 D7.2 R18.2 R25.2 U2.2 U3.3 X8.13 XS1.4 XS2.4 | length 138.5
  Top Layer w0.5: XS1.4@74.93,8.945 79.325,4.55 86.05,4.55 86.725,5.225 86.725,8.525 XS2.4@86.305,8.945
  Top Layer w0.6: U2.2@95.106,45.56 95.106,43.294 96.75,41.65 C8.2@97.9,41.65 97.9,37.225 101.075,34.05 C10.1@102.5,34.05 105.1,34.05 107.25,36.2 U3.3@107.25,37.25 ; v1(118.325,25.55) 121.225,25.55 124.42,22.355 X8.13@124.42,20.27
  Bottom Layer w0.5: D6.2@74.395,2.3 74.82,2.725 81,2.725 82.55,1.175 85.2,1.175 85.645,1.62 D7.2@85.645,2.3 85.85,2.3 89.925,6.375 89.925,8.55 89.525,8.95 C19.1@88.5,8.95 86.31,8.95 XS2.4@86.305,8.945 84.8,10.45 80.25,10.45 79.65,9.85 R25.2@79.65,9 ; R18.2@74.6,11.025 74.6,10.625 74.93,10.295 XS1.4@74.93,8.945 C17.1@76.995,8.945
  Bottom Layer w0.6: C19.1@88.5,8.95 88.5,18.7 100.575,30.775 100.575,33.325 101.3,34.05 C10.1@102.5,34.05 109.825,34.05 v1(118.325,25.55)
5V_BUS: C11.1 C18.1 C20.2 C22.2 C28.2 R17.2 R20.2 U4.4 U8.7 U8.8 U9.8 U10.1 U11.1 U12.1 U15.16 | length 73.4
  Top Layer w0.5: v1(16.35,19.6) 18.6,17.35 25.125,17.35 25.65,16.825 C28.2@25.65,15.75 U15.16@25.65,13.945 27.045,13.945 27.3,14.2 C22.2@28.25,14.2 28.25,15.175 29.155,16.08 U11.1@31.7,16.08 31.7,17.1 R17.2@32.75,18.15
  Top Layer w0.6: U8.7@15.86,27.22 U8.8@15.86,29.76 15.875,29.775 U10.1@15.875,32.52 ; U9.8@24.63,25.95 24.63,27.33 27.475,30.175 27.475,35.15 25.12,37.505 U4.4@25.12,41.5
  Bottom Layer w0.5: R20.2@13.875,27.025 15.665,27.025 U8.7@15.86,27.22 17.9,27.22 ; U12.1@15.2,19.405 16.08,19.405 19.3,22.625 19.3,25.075 18.775,25.6 C18.1@17.9,25.6 17.9,27.22 ; C20.2@23.7,28.425 C20.2@23.7,28.575 23.7,29.5 23.2,30 20.68,30 17.9,27.22
  Bottom Layer w0.6: C20.2@23.7,28.425 v1(24.675,27.45)
  Bottom Layer w0.8: U4.4@25.12,41.5 25.12,43.745 C11.1@25.125,43.75
5V_CPU: C2.1 C4.1 C5.2 L1.1 R1.2 R14.1 R15.2 R21.2 R22.1 R24.1 U10.8 U12.8 X12.1 | length 155.2
  Top Layer w0.5: U10.8@9.575,32.52 10.72,32.52 11.1,32.9 v1(11.8,32.9) ; v1(10.725,19.425) 10.725,7.1 14.525,3.3 15.425,3.3 ; R14.1@15.425,1.7 15.425,3.3 ; R22.1@19.8,1.7 19.8,3.3 ; R24.1@24.25,1.7 24.25,1.975 22.925,3.3 19.8,3.3 ; 15.425,3.3 19.8,3.3
  Top Layer w0.6: v1(10.725,19.425) 10.725,30.1 11.8,31.175 v1(11.8,32.9) 11.8,37.075 12.525,37.8 13.85,37.8 15.275,39.225 15.275,43.35 21.425,49.5 L1.1@28.75,49.5
  Top Layer w1: L1.1@28.75,49.5 L1.1@32.75,49.5 38.925,49.5 ; C4.1@41.25,54.5 38.925,52.175 38.925,49.5 ; X12.1@59.55,10.9 38.925,31.525 38.925,49.5
  Bottom Layer w0.5: R15.2@8.225,33.975 R21.2@10.2,33.975 10.725,33.975 v1(11.8,32.9)
  Bottom Layer w0.6: U12.8@8.9,19.405 10.705,19.405 v1(10.725,19.425) ; R1.2@40.35,60.5 40.35,58.65 C2.1@40.2,58.5 40.2,57.175 41.25,56.125 C4.1@41.25,54.5
  Bottom Layer w1: C5.2@59.35,13.925 59.325,13.9 59.325,11.125 X12.1@59.55,10.9
12V: C3.1 C7.2 C12.1 C14.2 D1.2 D3.2 P3.1 P3.2 U1.1 U2.1 U4.2 U7.1 | length 191.3
  Top Layer w1: C3.1@21.25,54.625 24.05,54.625 25.9,56.475 33.75,56.475 37.125,59.85 U1.1@39.15,59.85 ; v3(92,65.725) 92,58.225 C7.2@95.1,55.125 95.106,55.119 U2.1@95.106,50.64
  Top Layer w2: D1.2@13.75,60.5 D3.2@13.75,56.5 19.375,56.5 C3.1@21.25,54.625
  Bottom Layer w0.8: v1(15.8,56.425) 15.8,51.825 19.4,48.225 C12.1@19.4,43.75 20.04,43.11 U4.2@20.04,41.5 ; U7.1@57.76,49.835 59.45,51.525 C14.2@59.45,52.625
  Bottom Layer w2: C3.1@21.25,54.625 24.025,54.625 27.45,58.05 31.2,58.05 32.625,59.475 32.625,64.625 33.65,65.65 40,65.65 46.525,59.125 54.575,59.125 ; U7.1@57.76,49.835 55.815,49.835 54.575,51.075 54.575,59.125 ; P3.2@113.88,65.77 P3.1@113.88,63.23 113.88,65.725 v3(92,65.725) 61.175,65.725 54.575,59.125
12V_EXT: C16.2 R3.1 R5.2 R42.2 R44.2 R47.2 R49.2 U6.8 U7.3 X3.1 X3.2 X3.3 X3.4 XS5.1 XS6.1 XS7.1 XS8.1 | length 242.3
  Top Layer w0.8: U7.3@50.14,29.515 55.685,29.515 67.175,18.025 67.175,5.175 69.725,2.625 90.175,2.625 92.475,4.925 92.475,8.95 94.275,10.75 96.475,10.75 ; XS5.1@97.67,6.405 96.475,7.6 96.475,10.75 ; XS6.1@109.045,6.405 107.825,7.625 107.825,10.75 ; 119.225,10.75 119.225,7.6 XS7.1@120.42,6.405 ; XS8.1@131.795,6.405 127.45,10.75 107.825,10.75 ; 96.475,10.75 107.825,10.75
  Bottom Layer w0.5: 140.75,5.08 140.75,10.75 ; R42.2@140.75,11.9 140.75,10.75 ; R44.2@146.75,11.9 146.75,10.75 ; R47.2@152.75,11.9 152.75,10.75 ; R49.2@158.75,11.9 157.6,10.75 152.75,10.75 ; 140.75,10.75 146.75,10.75 ; 146.75,10.75 152.75,10.75
  Bottom Layer w0.6: U7.3@50.14,29.515 52.375,31.75 C16.2@59.8,31.75 59.8,32.95 59.75,33 62,35.25 76.25,35.25 77.155,36.155 U6.8@77.155,37.1 77.155,37.6 R5.2@80,37.6 R3.1@82.25,37.6
  Bottom Layer w0.8: XS8.1@131.795,6.405 131.795,4.98 132.9,3.875 135.65,3.875 136.855,5.08 140.75,5.08 X3.3@177,5.08
  Bottom Layer w1: X3.1@177,0 X3.2@177,2.54 X3.3@177,5.08 X3.4@177,7.62
12V_IN1: F1.2 X1.2 | length 8
  Top Layer w2: X1.2@-0.5,53.5 -0.46,53.46 F1.2@7.5,53.46
12V_IN2: F2.2 X2.2 | length 8
  Top Layer w2: X2.2@-0.5,43.5 -0.46,43.46 F2.2@7.5,43.46
A: D8.2 R17.1 S2.3 S2.4 U9.6 XS3.1 XS3.6 | length 63.4
  Top Layer w0.5: U9.6@22.09,25.95 22.09,24.485 23.4,23.175 27.025,23.175 27.425,23.575 32.75,23.575 v1(32.75,21.962) R17.1@32.75,20.35
  Bottom Layer w0.5: v1(32.75,21.962) 32.75,20.65 44.455,8.945 XS3.1@46.825,8.945 46.245,8.945 46.225,8.925 46.225,5.65 47.225,4.65 53.175,4.65 ; XS3.6@53.175,6.405 53.175,4.65 ; S2.4@61.52,-3.81 S2.3@58.98,-3.81 57.45,-2.28 57.45,1.55 54.35,4.65 53.175,4.65
B: D9.1 R16.1 R27.1 R28.1 U9.7 XS3.2 XS3.5 | length 79.6
  Top Layer w0.5: U9.7@23.36,25.95 23.36,24.69 23.925,24.125 26.188,24.125 27.738,25.675 33.925,25.675 35,24.6 R16.1@35,20.35 v1(36.425,20.35) D9.1@37.55,19.225 ; XS3.2@48.095,6.405 49.85,4.65 54.425,4.65 55,5.225 55,8 54.055,8.945 XS3.5@51.905,8.945
  Bottom Layer w0.5: v1(36.425,20.35) 44.575,12.2 48.65,12.2 XS3.5@51.905,8.945 54.055,8.945 56.725,6.275 62.425,6.275 63.65,5.05 63.65,-1.075 63.225,-1.5 R27.1@62,-1.5 R28.1@59.5,-1.5
BUTTOM: P1.6 S1.2 | length 27.5
  Top Layer w0.3: P1.6@-0.77,20.96 -0.77,20.905 -2.425,19.25 -2.425,12.525 S1.2@10.55,-0.45
CAN_RX: P1.2
CAN_TX: P1.4
DCI5: C33.2 U19.2 X9.1 | length 19.5
  Top Layer w0.6: X9.1@141.95,0 141.95,12.625 143.52,14.195 U19.2@143.52,15.69
  Bottom Layer w0.4: U19.2@143.52,15.69 144.7,14.51 C33.2@144.7,13
DCI6: C34.2 U20.2 X9.3 | length 19.1
  Top Layer w0.6: X9.3@148.95,0 148.95,13.45 149.52,14.02 U20.2@149.52,15.69
  Bottom Layer w0.4: U20.2@149.52,15.69 150.7,14.51 C34.2@150.7,13
DCI7: C35.2 U21.2 X9.5 | length 18.8
  Top Layer w0.6: U21.2@155.52,15.69 155.6,15.61 155.6,14 155.95,13.65 X9.5@155.95,0
  Bottom Layer w0.4: U21.2@155.52,15.69 156.7,14.51 C35.2@156.7,13.25
DCI8: C37.2 U22.2 X9.7 | length 19.2
  Top Layer w0.6: U22.2@161.52,15.69 161.52,14.13 162.95,12.7 X9.7@162.95,0
  Bottom Layer w0.4: U22.2@161.52,15.69 162.7,14.51 C37.2@162.7,13.25
DI1: R30.2 R31.2 XS5.2 | length 7.5
  Bottom Layer w0.4: R31.2@95.25,8.35 95.845,8.945 XS5.2@98.94,8.945 98.94,10.46 R30.2@97.5,11.9
DI2: R33.2 R34.2 XS6.2 | length 9.6
  Bottom Layer w0.4: R33.2@103.5,11.9 103.8,11.9 104.725,10.975 104.725,9.15 105.525,8.35 R34.2@106.75,8.35 108.3,8.35 108.895,8.945 XS6.2@110.315,8.945